# KiCad board pocket-reform-keyboard-kailh-ortho.kicad_pcb (continued)
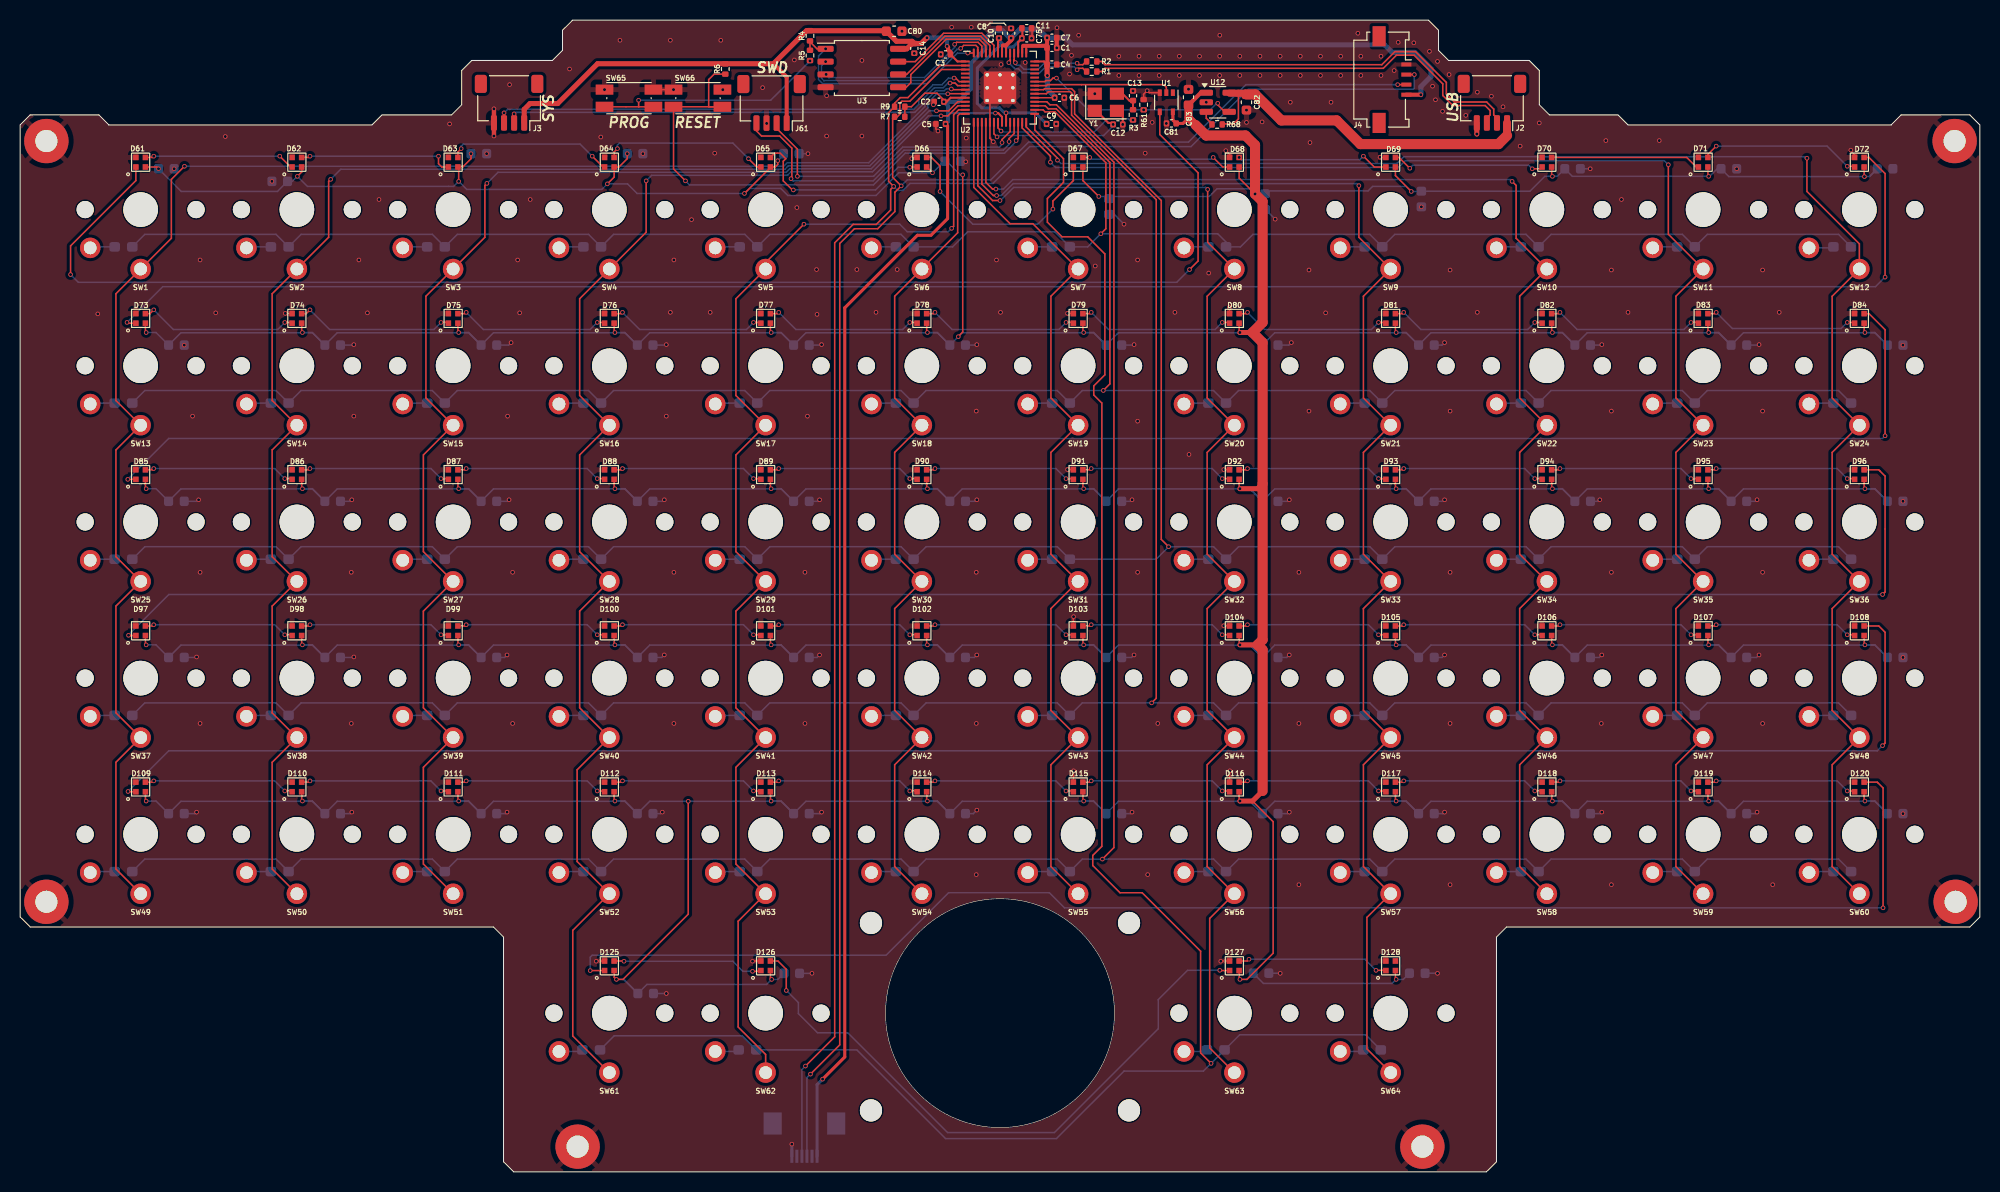
[diagram p0: board, top side]
## Footprints (pads in the part's own frame, mm; a bottom-side part is the same pattern mirrored in y, then rotated)
C_0402_1005Metric
  rrect 0.56x0.62 smd: 1(-0.48,0) 2(0.48,0)
C_0603_1608Metric
  rrect 0.9x0.95 smd: 1(-0.775,0) 2(0.775,0)
Crystal_SMD_3225-4Pin_3.2x2.5mm
  rect 1.4x1.2 smd: 1(-1.1,-0.85) 2(1.1,-0.85) 3(1.1,0.85) 4(-1.1,0.85)
D_0603_1608Metric_Pad1.05x0.95mm_HandSolder
  rrect 1.05x0.95 smd: 1(-0.875,0) 2(0.875,0)
Diptronics-PTLP2
  rect 1.75x1 smd: 1(-2.425,0.85) 1(2.425,0.85) 2(-2.425,-0.85) 2(2.425,-0.85)
Hirose_FH12-6S-0.5SH_1x06-1MP_P0.50mm_Horizontal
  rect 0.3x1.3 smd: 1(-1.25,1.85) 2(-0.75,1.85) 3(-0.25,1.85) 4(0.25,1.85) 5(0.75,1.85) 6(1.25,1.85)
  rect 1.8x2.2 smd: MP(-3.15,-1.4) MP(3.15,-1.4)
JST_SH_SM04B-SRSS-TB_1x04-1MP_P1.00mm_Horizontal
  rrect 0.6x1.55 smd: 1(-1.5,2) 2(-0.5,2) 3(0.5,2) 4(1.5,2)
  rrect 1.2x1.8 smd: MP(-2.8,-1.875) MP(2.8,-1.875)
Molex_200528-0040_1x04-1MP_P1.00mm_Horizontal
  rect 0.4x1 smd: 1(-1.5,0.91) 2(-0.5,0.91) 3(0.5,0.91) 4(1.5,0.91)
  rect 2x1.3 smd: MP(-4.3,-1.79) MP(4.3,-1.79)
MountingHole_2.2mm_M2
  round 2.2 hole 2.2 unplated: (0,0)
MountingHole_2.2mm_M2_Pad
  round 4.4 hole 2.2: 1(0,0)
PG1350
  round 1.702 hole 1.702 unplated: (-5.5,0) (5.5,0)
  round 3.429 hole 3.429 unplated: (0,0)
  round 2.032 hole 1.27: 1(0,-5.9) 2(-5,-3.8)
R_0402_1005Metric
  rrect 0.54x0.64 smd: 1(-0.51,0) 2(0.51,0)
RP2040-QFN-56
  rrect 1.084x1.084 smd: (-0.637,0.637) (-0.637,-0.637) (0.637,0.637) (0.637,-0.637)
  rrect 0.875x0.2 smd: 1(-3.438,2.6) 2(-3.438,2.2) 3(-3.438,1.8) 4(-3.438,1.4) 5(-3.438,1) 6(-3.438,0.6) 7(-3.438,0.2) 8(-3.438,-0.2) 9(-3.438,-0.6) 10(-3.438,-1) 11(-3.438,-1.4) 12(-3.438,-1.8) 13(-3.438,-2.2) 14(-3.438,-2.6) 29(3.438,-2.6) 30(3.438,-2.2) 31(3.438,-1.8) 32(3.438,-1.4) 33(3.438,-1) 34(3.438,-0.6) 35(3.438,-0.2) 36(3.438,0.2) 37(3.438,0.6) 38(3.438,1) 39(3.438,1.4) 40(3.438,1.8) 41(3.438,2.2) 42(3.438,2.6)
  rrect 0.2x0.875 smd: 15(-2.6,-3.438) 16(-2.2,-3.438) 17(-1.8,-3.438) 18(-1.4,-3.438) 19(-1,-3.438) 20(-0.6,-3.438) 21(-0.2,-3.438) 22(0.2,-3.438) 23(0.6,-3.438) 24(1,-3.438) 25(1.4,-3.438) 26(1.8,-3.438) 27(2.2,-3.438) 28(2.6,-3.438) 43(2.6,3.438) 44(2.2,3.438) 45(1.8,3.438) 46(1.4,3.438) 47(1,3.438) 48(0.6,3.438) 49(0.2,3.438) 50(-0.2,3.438) 51(-0.6,3.438) 52(-1,3.438) 53(-1.4,3.438) 54(-1.8,3.438) 55(-2.2,3.438) 56(-2.6,3.438)
  round 0.6 hole 0.35: 57(-1.275,1.275) 57(-1.275,0) 57(-1.275,-1.275) 57(0,1.275) 57(0,0) 57(0,-1.275) 57(1.275,1.275) 57(1.275,0) 57(1.275,-1.275)
  rrect 3.2x3.2 smd: 57(0,0)
SK6805-EC15
  rect 0.55x0.55 smd: 1(-0.475,-0.475) 2(0.475,-0.475) 3(0.475,0.475) 4(-0.475,0.475)
SOIC-8_5.23x5.23mm_P1.27mm
  rrect 1.6x0.6 smd: 1(-3.6,1.905) 2(-3.6,0.635) 3(-3.6,-0.635) 4(-3.6,-1.905) 5(3.6,-1.905) 6(3.6,-0.635) 7(3.6,0.635) 8(3.6,1.905)
SOT-23-5
  rrect 1.325x0.6 smd: 1(-1.137,0.95) 2(-1.137,0) 3(-1.137,-0.95) 4(1.137,-0.95) 5(1.137,0.95)
SOT-353_SC-70-5
  rect 0.65x0.4 smd: 1(-0.95,0.65) 2(-0.95,0) 3(-0.95,-0.65) 4(0.95,-0.65) 5(0.95,0.65)

## Nets
+1V1: C9.1 C10.1 C11.1 C75.1 U2.23 U2.45 U2.50
+3V3: C1.1 C2.1 C3.1 C4.1 C5.1 C6.1 C7.1 C8.1 C14.1 C80.1 J1.6 J3.1 J4.4 J61.1 R4.1 R6.1 R7.2 R9.2 U2.1 U2.10 U2.22 U2.33 U2.42 U2.43 U2.44 U2.48 U2.49 U3.8
+5V: C82.1 J2.1 R68.2 U12.5
GND: C1.2 C2.2 C3.2 C4.2 C5.2 C6.2 C7.2 C8.2 C9.2 C10.2 C11.2 C12.2 C13.2 C14.2 C15.2 C16.2 C17.2 C18.2 C19.2 C20.2 C21.2 C22.2 C23.2 C24.2 C25.2 C26.2 C27.2 C28.2 C29.2 C30.2 C31.2 C32.2 C33.2 C34.2 C35.2 C36.2 C37.2 C38.2 C39.2 C40.2 C41.2 C42.2 C43.2 C44.2 C45.2 C46.2 C47.2 C48.2 C49.2 C50.2 C51.2 C52.2 C53.2 C54.2 C55.2 C56.2 C57.2 C58.2 C59.2 C60.2 C61.2 C62.2 C63.2 C64.2 C65.2 C66.2 C67.2 C68.2 C69.2 C70.2 C71.2 C72.2 C73.2 C74.2 C75.2 C76.2 C77.2 C78.2 C79.2 C80.2 C81.2 C82.2 C83.2 D61.4 D62.4 D63.4 D64.4 D65.4 D66.4 D67.4 D68.4 D69.4 D70.4 D71.4 D72.4 D73.4 D74.4 D75.4 D76.4 D77.4 D78.4 D79.4 D80.4 D81.4 D82.4 D83.4 D84.4 D85.4 D86.4 D87.4 D88.4 D89.4 D90.4 D91.4 D92.4 D93.4 D94.4 D95.4 D96.4 D97.4 D98.4 D99.4 D100.4 D101.4 D102.4 D103.4 D104.4 D105.4 D106.4 D107.4 D108.4 D109.4 D110.4 D111.4 D112.4 D113.4 D114.4 D115.4 D116.4 D117.4 D118.4 D119.4 D120.4 D125.4 D126.4 D127.4 D128.4 H1.1 H2.1 H3.1 H4.1 H5.1 H6.1 J1.1 J2.4 J3.4 J4.1 J61.3 R61.1 SW65.2 SW66.2 U1.3 U2.19 U2.57 U3.4 U12.2 Y1.2 Y1.4
/Pocket Reform KBD MCU/UD+: R1.2 U2.47
/Pocket Reform KBD MCU/UD-: R2.1 U2.46
COL1: SW1.1 SW13.1 SW25.1 SW37.1 SW49.1 U2.8
COL2: SW2.1 SW14.1 SW26.1 SW38.1 SW50.1 U2.9
COL3: SW3.1 SW15.1 SW27.1 SW39.1 SW51.1 U2.11
COL4: SW4.1 SW16.1 SW28.1 SW40.1 SW52.1 SW61.1 U2.12
COL5: SW5.1 SW17.1 SW29.1 SW41.1 SW53.1 SW62.1 U2.13
COL6: SW6.1 SW18.1 SW30.1 SW42.1 SW54.1 U2.14
COL7: SW7.1 SW19.1 SW31.1 SW43.1 SW55.1 U2.15
COL8: SW8.1 SW20.1 SW32.1 SW44.1 SW56.1 SW63.1 U2.16
COL9: SW9.1 SW21.1 SW33.1 SW45.1 SW57.1 SW64.1 U2.17
COL10: SW10.1 SW22.1 SW34.1 SW46.1 SW58.1 U2.18
COL11: SW11.1 SW23.1 SW35.1 SW47.1 SW59.1 U2.27
COL12: SW12.1 SW24.1 SW36.1 SW48.1 SW60.1 U2.28
D+: J2.3 R1.1
D-: J2.2 R2.2
LED_DATA: U1.2 U2.36
LED_POWER: C15.1 C16.1 C17.1 C18.1 C19.1 C20.1 C21.1 C22.1 C23.1 C24.1 C25.1 C26.1 C27.1 C28.1 C29.1 C30.1 C31.1 C32.1 C33.1 C34.1 C35.1 C36.1 C37.1 C38.1 C39.1 C40.1 C41.1 C42.1 C43.1 C44.1 C45.1 C46.1 C47.1 C48.1 C49.1 C50.1 C51.1 C52.1 C53.1 C54.1 C55.1 C56.1 C57.1 C58.1 C59.1 C60.1 C61.1 C62.1 C63.1 C64.1 C65.1 C66.1 C67.1 C68.1 C69.1 C70.1 C71.1 C72.1 C73.1 C74.1 C76.1 C77.1 C78.1 C79.1 C81.1 C83.1 D61.2 D62.2 D63.2 D64.2 D65.2 D66.2 D67.2 D68.2 D69.2 D70.2 D71.2 D72.2 D73.2 D74.2 D75.2 D76.2 D77.2 D78.2 D79.2 D80.2 D81.2 D82.2 D83.2 D84.2 D85.2 D86.2 D87.2 D88.2 D89.2 D90.2 D91.2 D92.2 D93.2 D94.2 D95.2 D96.2 D97.2 D98.2 D99.2 D100.2 D101.2 D102.2 D103.2 D104.2 D105.2 D106.2 D107.2 D108.2 D109.2 D110.2 D111.2 D112.2 D113.2 D114.2 D115.2 D116.2 D117.2 D118.2 D119.2 D120.2 D125.2 D126.2 D127.2 D128.2 U1.5 U12.1
LED_PWR_EN: R61.2 U2.37 U12.4
MT: J1.2
PROG: R5.1 SW65.1
QSPI_CS: R4.2 R5.2 U2.56 U3.1
QSPI_SCK: U2.52 U3.6
QSPI_SD0: U2.53 U3.5
QSPI_SD1: U2.55 U3.2
QSPI_SD2: U2.54 U3.3
QSPI_SD3: U2.51 U3.7
RESET: R6.2 SW66.1 U2.26
ROW1: D1.1 D2.1 D3.1 D4.1 D5.1 D6.1 D7.1 D8.1 D9.1 D10.1 D11.1 D12.1 U2.30
ROW2: D13.1 D14.1 D15.1 D16.1 D17.1 D18.1 D19.1 D20.1 D21.1 D22.1 D23.1 D24.1 U2.31
ROW3: D25.1 D26.1 D27.1 D28.1 D29.1 D30.1 D31.1 D32.1 D33.1 D34.1 D35.1 D36.1 U2.35
ROW4: D37.1 D38.1 D39.1 D40.1 D41.1 D42.1 D43.1 D44.1 D45.1 D46.1 D47.1 D48.1 U2.34
ROW5: D49.1 D50.1 D51.1 D52.1 D53.1 D54.1 D55.1 D56.1 D57.1 D58.1 D59.1 D60.1 U2.32
ROW6: D121.1 D122.1 D123.1 D124.1 U2.29
SCL: J1.4 J4.3 R7.1 U2.3
SDA: J1.3 J4.2 R9.1 U2.2
SWC: J61.2 U2.24
SWD: J61.4 U2.25
UART_RX: J3.2 U2.7
UART_TX: J3.3 U2.6
Net-(C13-Pad1): C13.1 R3.1 Y1.3
Net-(D1-A): D1.2 SW1.2
Net-(D2-A): D2.2 SW2.2
Net-(D3-A): D3.2 SW3.2
Net-(D4-A): D4.2 SW4.2
Net-(D5-A): D5.2 SW5.2
Net-(D6-A): D6.2 SW6.2
Net-(D7-A): D7.2 SW7.2
Net-(D8-A): D8.2 SW8.2
Net-(D9-A): D9.2 SW9.2
Net-(D10-A): D10.2 SW10.2
Net-(D11-A): D11.2 SW11.2
Net-(D12-A): D12.2 SW12.2
Net-(D13-A): D13.2 SW13.2
Net-(D14-A): D14.2 SW14.2
Net-(D15-A): D15.2 SW15.2
Net-(D16-A): D16.2 SW16.2
Net-(D17-A): D17.2 SW17.2
Net-(D18-A): D18.2 SW18.2
Net-(D19-A): D19.2 SW19.2
Net-(D20-A): D20.2 SW20.2
Net-(D21-A): D21.2 SW21.2
Net-(D22-A): D22.2 SW22.2
Net-(D23-A): D23.2 SW23.2
Net-(D24-A): D24.2 SW24.2
Net-(D25-A): D25.2 SW25.2
Net-(D26-A): D26.2 SW26.2
Net-(D27-A): D27.2 SW27.2
Net-(D28-A): D28.2 SW28.2
Net-(D29-A): D29.2 SW29.2
Net-(D30-A): D30.2 SW30.2
Net-(D31-A): D31.2 SW31.2
Net-(D32-A): D32.2 SW32.2
Net-(D33-A): D33.2 SW33.2
Net-(D34-A): D34.2 SW34.2
Net-(D35-A): D35.2 SW35.2
Net-(D36-A): D36.2 SW36.2
Net-(D37-A): D37.2 SW37.2
Net-(D38-A): D38.2 SW38.2
Net-(D39-A): D39.2 SW39.2
Net-(D40-A): D40.2 SW40.2
Net-(D41-A): D41.2 SW41.2
Net-(D42-A): D42.2 SW42.2
Net-(D43-A): D43.2 SW43.2
Net-(D44-A): D44.2 SW44.2
Net-(D45-A): D45.2 SW45.2
Net-(D46-A): D46.2 SW46.2
Net-(D47-A): D47.2 SW47.2
Net-(D48-A): D48.2 SW48.2
Net-(D49-A): D49.2 SW49.2
Net-(D50-A): D50.2 SW50.2
Net-(D51-A): D51.2 SW51.2
Net-(D52-A): D52.2 SW52.2
Net-(D53-A): D53.2 SW53.2
Net-(D54-A): D54.2 SW54.2
Net-(D55-A): D55.2 SW55.2
Net-(D56-A): D56.2 SW56.2
Net-(D57-A): D57.2 SW57.2
Net-(D58-A): D58.2 SW58.2
Net-(D59-A): D59.2 SW59.2
Net-(D60-A): D60.2 SW60.2
Net-(D61-DIN): D61.1 U1.4
Net-(D61-DOUT): D61.3 D62.1
Net-(D62-DOUT): D62.3 D63.1
Net-(D63-DOUT): D63.3 D64.1
Net-(D64-DOUT): D64.3 D65.1
Net-(D65-DOUT): D65.3 D66.1
Net-(D66-DOUT): D66.3 D67.1
Net-(D67-DOUT): D67.3 D68.1
Net-(D68-DOUT): D68.3 D69.1
Net-(D69-DOUT): D69.3 D70.1
Net-(D70-DOUT): D70.3 D71.1
Net-(D71-DOUT): D71.3 D72.1
Net-(D72-DOUT): D72.3 D73.1
Net-(D73-DOUT): D73.3 D74.1
Net-(D74-DOUT): D74.3 D75.1
Net-(D75-DOUT): D75.3 D76.1
Net-(D76-DOUT): D76.3 D77.1
Net-(D77-DOUT): D77.3 D78.1
Net-(D78-DOUT): D78.3 D79.1
Net-(D79-DOUT): D79.3 D80.1
Net-(D80-DOUT): D80.3 D81.1
Net-(D81-DOUT): D81.3 D82.1
Net-(D82-DOUT): D82.3 D83.1
Net-(D83-DOUT): D83.3 D84.1
Net-(D84-DOUT): D84.3 D85.1
Net-(D85-DOUT): D85.3 D86.1
Net-(D86-DOUT): D86.3 D87.1
Net-(D87-DOUT): D87.3 D88.1
Net-(D88-DOUT): D88.3 D89.1
Net-(D89-DOUT): D89.3 D90.1
Net-(D90-DOUT): D90.3 D91.1
Net-(D91-DOUT): D91.3 D92.1
Net-(D92-DOUT): D92.3 D93.1
Net-(D93-DOUT): D93.3 D94.1
Net-(D94-DOUT): D94.3 D95.1
Net-(D95-DOUT): D95.3 D96.1
Net-(D96-DOUT): D96.3 D97.1
Net-(D97-DOUT): D97.3 D98.1
Net-(D98-DOUT): D98.3 D99.1
Net-(D100-DIN): D99.3 D100.1
Net-(D100-DOUT): D100.3 D101.1
Net-(D101-DOUT): D101.3 D102.1
Net-(D102-DOUT): D102.3 D103.1
Net-(D103-DOUT): D103.3 D104.1
Net-(D104-DOUT): D104.3 D105.1
Net-(D105-DOUT): D105.3 D106.1
Net-(D106-DOUT): D106.3 D107.1
Net-(D107-DOUT): D107.3 D108.1
Net-(D108-DOUT): D108.3 D109.1
Net-(D109-DOUT): D109.3 D110.1
Net-(D110-DOUT): D110.3 D111.1
Net-(D111-DOUT): D111.3 D112.1
Net-(D112-DOUT): D112.3 D113.1
Net-(D113-DOUT): D113.3 D114.1
Net-(D114-DOUT): D114.3 D115.1
Net-(D115-DOUT): D115.3 D116.1
Net-(D116-DOUT): D116.3 D117.1
Net-(D117-DOUT): D117.3 D118.1
Net-(D118-DOUT): D118.3 D119.1
Net-(D119-DOUT): D119.3 D120.1
Net-(D120-DOUT): D120.3 D125.1
Net-(D121-A): D121.2 SW61.2
Net-(D122-A): D122.2 SW62.2
Net-(D123-A): D123.2 SW63.2
Net-(D124-A): D124.2 SW64.2
Net-(D125-DOUT): D125.3 D126.1
Net-(D126-DOUT): D126.3 D127.1
Net-(D127-DOUT): D127.3 D128.1
Net-(U2-XIN): C12.1 U2.20 Y1.1
Net-(U2-XOUT): R3.2 U2.21
Net-(U12-FLG): R68.1 U12.3

Pads without a net: D128 3; J1 5 MP; J2 MP; J3 MP; J4 MP; J61 MP; U1 1; U2 4 5 38 39 40 41

## Via types
v1: diameter 0.45, hole 0.3, Top to Bottom, 530 vias

## Routing (per net, layer and track width the routed paths; a pad name or vN(x,y) marks a point on that pad's centre or on a via; arc(x,y) is an arc through that point)
+1V1: length 22.9
  Top w0.2: 99.42,113.5 99.42,112.55 v1(99.37,112.5) 99,112.13 U2.45 ; v1(97.1,112.52) 97,112.42 U2.50 ; U2.23 v1(97.8,105.1)
  Bottom w0.3: v1(101.82,104) 100.72,105.1 v1(97.8,105.1) 97.65,105.1 97.15,105.6 95.4,105.6 94.95,106.05 94.95,109.55 97.4,112 ; 97.4,112 97.1,112.3 v1(97.1,112.52) ; 97.4,112 97.75,111.65 98.52,111.65 v1(99.37,112.5)
+3V3: length 266.1
  Top w0.15: R7.2 R9.2 88.41,105.71 89.75,107.05 90.95,107.05 91.63,106.37 v1(91.63,106.2) ; U2.33 v1(102.62,106.6)
  Top w0.2: v1(91.63,106.2) 91.91,106.2 92.31,106.6 U2.10 ; C3.1 92.98,110.2 U2.1 ; v1(96.75,105.08) 97.03,105.08 97.4,104.7 U2.22 ; U2.48 97.8,111.8 ; U2.42 101.57,110.2 C4.1 ; U2.43 99.8,111.7 99.85,111.75 99.55,111.75 99.4,111.6 U2.44 ; U2.49 97.4,111.8
  Top w0.3: v1(79.6,9.2) 81.8,11.4 81.8,85.75 89,92.95 90.35,92.95 92,94.6 92,103.8 v1(91.8,104)
  Top w0.4: v1(98.3,112.52) 98.3,112.3 97.8,111.8 97.5,111.8 ; v1(91.95,111.7) 92.05,111.6 92.05,111.35 92.28,111.12 C3.1 ; J61.1 76.04,108.66 74.72,109.98 ; 101.87,112.61 C1.1 101.67,111.75 99.5,111.75 ; 101.9,111.59 101.9,109.93 C4.1 ; J4.4 v1(138.95,106.9)
  Top w0.5: C14.1 88.48,111.98 87.96,111.46 U3.8 ; C14.1 89.38,111.98 v1(89.95,112.55) ; C14.1 88.48,112.2 86.93,112.2 C80.1 ; J3.1 50,105.45 50.58,106.03 53.33,106.03 57.28,109.98 74.72,109.98 78,113.25 85.88,113.25 ; C4.1 101.87,108.83 v1(101.9,108.8)
  Bottom w0.2: v1(96.75,105.08) 92.07,105.08 92.05,105.1 ; v1(91.8,104) 91.9,104
  Bottom w0.3: J1.6 79.05,8.65 v1(79.6,9.2)
  Bottom w0.4: v1(91.8,104) 92.05,104.25 92.05,105.78 v1(91.63,106.2) 93.05,106.2 94.3,107.45 94.3,110 95.75,111.45 95.75,112.55 94.8,112.55 ; v1(91.95,111.7) 91.95,112.55
  Bottom w0.5: v1(138.95,106.9) 138.95,107.7 139.95,108.7 139.95,109.5 138.35,111.1 136.1,111.1 135.35,111.85 104.4,111.85 103.7,112.55 v1(101.87,112.55) 101.07,113.35 99.13,113.35 v1(98.3,112.52) 98.18,112.52 97.45,113.25 96.55,113.25 95.85,112.55 v1(89.95,112.55) ; v1(102.62,106.6) 102.62,106.73 101.9,107.45 v1(101.9,108.8)
+5V: length 35.6
  Top w0.15: 120.85,107.05 120.85,104.5 120.35,104 119.3,104 R68.2
  Top w0.7: 119.99,107.05 121.53,107.05 C82.1
  Top w0.8: J2.1 147.5,102.85
  Top w1: 147.5,102.85 146.65,102 132.95,102 130.6,104.35 125.1,104.35 122.53,106.93 C82.1
GND: length 93.8
  Top w0.15: D69.4 134.93,100.68 v1(134.9,100.7) ; D91.4 104.45,69.7 v1(103.9,69.7) ; R61.1 111.45,106.95 v1(111.8,107.3) 112,107.1 U1.3 ; v1(104.5,39.8) 104.47,39.78 D115.4 ; v1(120,39.8) 119.97,39.78 D116.4 ; U2.57 96.2,106.05 U2.19 96.2,102.57 v1(96.54,102.24) ; D79.4 104.45,85.2 v1(103.9,85.2) ; D125.4 57.17,20.93 v1(57.15,20.9) ; 108.4,105.45 108.65,105.45 Y1.2 ; J61.3 74.04,104.06 v1(74.05,104.05) ; v1(106.6,107) 106.7,107.1 106.7,107.15 ; v1(72.65,20.9) 72.67,20.93 D126.4 ; D74.4 26.95,85.2 v1(26.3,85.2) ; v1(119.4,69.7) 119.95,69.7 D92.4 ; v1(104.5,55.1) 104.47,55.08 D103.4 ; D72.4 181.97,100.93 181.6,101.3 v1(181.6,101.4) ; C14.2 v1(88.7,111) ; v1(91.05,103.3) 90.84,103.51 C5.2 ; D66.4 88.47,100.68 88.45,100.65 v1(88.45,100.55) ; v1(119.97,85.8) D80.4 ; C83.2 v1(115.9,107.45) ; D127.4 119.12,20.93 v1(119.1,20.9) ; v1(119.4,54.2) 119.95,54.2 D104.4 ; v1(69.7,107.4) 69.7,107.4 SW66.2 ; v1(119.6,101.35) 119.97,100.98 D68.4 ; C2.2 90.67,105.97 v1(90.6,105.9) ; SW65.2 v1(64.81,107.4) ; 100.38,113.5 100.38,112.5
  Top w0.2: v1(109.38,103.95) 109.38,104.87 108.95,105.3 Y1.2 ; C10.2 97.1,113.5 ; C8.2 v1(98.3,113.5)
  Top w0.3: v1(100.33,112.5) 100.38,112.5
  Top w0.4: v1(47,105.5) J3.4 v1(47,102.8) ; C7.2 v1(102.83,111.55)
  Top w0.5: 57.97,107.4 v1(57.97,107.4) ; v1(106.6,107) 106.6,107.05 106.55,107.1 ; 64.82,107.4 v1(64.81,107.4) ; J2.4 v1(144.5,103)
  Bottom w0.15: C71.2 110.15,35.55 v1(110.3,35.7) ; C57.2 48.35,66.55 v1(48.5,66.7) ; C78.2 124.98,19.72 v1(125,19.7) ; C59.2 110.15,66.55 v1(110.3,66.7) ; C40.2 32.75,35.55 v1(32.9,35.7) ; C23.2 64.05,82.05 v1(64.1,82.1) ; v1(172.3,66.7) 172.15,66.55 C61.2 ; C53.2 110.45,82.05 v1(110.5,82.1) ; v1(79.5,35.7) 79.35,35.55 C70.2 ; C42.2 94.55,35.55 v1(94.9,35.9) ; C30.2 94.75,66.55 v1(94.9,66.7) ; v1(140.6,19.7) 140.59,19.71 C79.2 ; v1(48.7,82.3) 48.45,82.05 C51.2 ; C62.2 17.45,51.05 v1(17.5,51.1) ; v1(125.9,35.7) 125.75,35.55 C43.2 ; C68.2 17.35,35.55 v1(17.5,35.7) ; v1(156.9,35.7) 156.75,35.55 C44.2 ; v1(172.5,51.3) 172.25,51.05 C67.2 ; v1(172.5,82.1) 172.45,82.05 C55.2 ; v1(63.9,51.3) 63.65,51.05 C35.2 ; v1(172.3,35.7) 172.15,35.55 C73.2 ; C24.2 94.85,82.05 v1(94.9,82.1) ; C32.2 156.55,66.55 v1(156.7,66.7) ; v1(79.3,66.7) 79.15,66.55 C58.2 ; v1(125.9,51.3) 125.65,51.05 C37.2 ; C19.2 123.53,95.53 v1(124.5,94.55) ; C46.2 v1(78.15,101.05) ; C63.2 48.05,51.05 v1(48.3,51.3) ; v1(141.3,82.3) 141.05,82.05 C54.2 ; C69.2 48.15,35.55 v1(48.3,35.7) ; v1(109.5,94.05) 108.53,95.03 C47.2 ; C56.2 17.55,66.55 v1(17.7,66.7) ; v1(33.1,82.1) 33.05,82.05 C22.2 ; v1(126.1,82.3) 125.85,82.05 C25.2 ; v1(141.3,51.3) 141.05,51.05 C66.2 ; C36.2 94.65,51.05 v1(94.9,51.3) ; v1(33.1,51.1) 33.05,51.05 C34.2 ; C52.2 79.45,82.05 v1(79.5,82.1) ; v1(141.3,66.7) 141.15,66.55 C60.2 ; v1(63.9,66.7) 63.75,66.55 C29.2 ; C77.2 v1(78.55,19.7) ; C41.2 63.55,35.55 v1(63.7,35.7) ; C65.2 110.25,51.05 v1(110.5,51.3) ; v1(156.9,51.3) 156.65,51.05 C38.2 ; v1(125.9,66.7) 125.75,66.55 C31.2 ; C76.2 v1(64.1,17.7) ; C64.2 79.05,51.05 v1(79.3,51.3) ; C26.2 156.85,82.05 v1(156.9,82.1) ; C20.2 v1(155.75,99.55) ; C72.2 141.15,35.55 v1(141.3,35.7) ; v1(32.9,66.7) 32.75,66.55 C28.2
  Bottom w0.3: J1.1 v1(76.55,2.75)
  vias: v1(7.7,85.15) v1(15.28,99.55) v1(16.28,82.05) v1(17.1,75) v1(17.85,90.5) v1(17.85,59.5) v1(17.85,44.5) v1(19.4,85.25) v1(20.35,102.75) v1(24.97,98.3) v1(32.85,59.5) v1(32.85,44.5) v1(33.1,75) v1(33.6,90.5) v1(34.45,85.25) v1(35.6,96.5) v1(42.6,104) v1(46.28,101.05) v1(48.35,75) v1(48.55,107.9) v1(48.85,59.5) v1(48.85,44.5) v1(49.35,90.5) v1(49.55,85.25) v1(50.6,96.5) v1(54.5,109.45) v1(57.6,102.7) v1(59.5,112.3) v1(61.78,101.05) v1(64.1,75) v1(64.5,112.3) v1(64.5,85.3) v1(64.85,90.5) v1(64.85,59.5) v1(64.85,44.5) v1(66.6,94.5) v1(68.45,85.3) v1(68.9,101.1) v1(69.5,112.3) v1(73.65,107.6) v1(76.8,110.35) v1(77.05,95.7) v1(77.85,59.5) v1(77.85,44.5) v1(78.1,75) v1(79,89.55) v1(79.05,85.1) v1(80,106.8) v1(80,102.8) v1(83,89.55) v1(83.5,110.3) v1(83.5,102.8) v1(84.9,85.3) v1(87,89.55) v1(87.47,113.2) v1(91.32,110.9) v1(92.4,113.6) v1(93.85,102.6) v1(93.8,100.25) v1(94.35,113.6) v1(94.85,75.5) v1(94.85,59.5) v1(94.85,44.5) v1(94.85,29.5) v1(96.85,90.5) v1(97.3,109.9) v1(97.25,85.3) v1(99.7,110.1) v1(102.85,113.55) v1(102.78,104) v1(103.58,106.6) v1(104.1,108.95) v1(104.29,110.8) v1(105,112.8) v1(106.65,89.9) v1(108.99,110.72) v1(108.99,108.81) v1(110.39,107.28) v1(110.85,90.5) v1(110.85,74.5) v1(110.85,59.5) v1(110.99,110.72) v1(110.99,108.81) v1(111.6,101.1) v1(111.85,29.5) v1(112.3,104.15) v1(112.85,44.5) v1(112.99,110.72) v1(112.99,108.81) v1(113.7,104.05) v1(114.55,85.3) v1(114.99,110.72) v1(114.99,108.81) v1(115.95,71.2) v1(116.99,110.72) v1(116.99,108.81) v1(117.66,106.15) v1(117.9,89.2) v1(119,112.8) v1(118.99,110.72) v1(118.99,108.81) v1(120.99,110.72) v1(120.99,108.81) v1(121.65,105.38) v1(121.65,104.15) v1(122.99,110.72) v1(122.99,108.81) v1(123.2,104.2) v1(124.99,110.72) v1(124.99,108.81) v1(126,106.15) v1(126.85,59.5) v1(126.85,44.5) v1(126.85,28.5) v1(126.99,110.72) v1(126.99,108.81) v1(127.85,89.5) v1(127.85,75.5) v1(127.95,102.15) v1(128.99,110.72) v1(128.99,108.81) v1(129.5,85.25) v1(130.04,106.15) v1(130.99,110.72) v1(130.99,108.81) v1(132.7,113) v1(132.99,110.72) v1(132.99,108.81) v1(134.99,110.72) v1(134.99,108.81) v1(136.3,109.3) v1(136.7,112.1) v1(138.25,112.05) v1(139,95.78) v1(139.8,111.2) v1(140.11,107.74) v1(140.4,106.4) v1(140.6,110.2) v1(141.1,105.25) v1(141.75,108.9) v1(141.85,89.5) v1(141.85,75.5) v1(141.85,59.5) v1(141.85,44.5) v1(141.85,28.5) v1(143.4,104.85) v1(144.55,107.15) v1(144.55,85.3) v1(145.95,106.75) v1(147.1,105.7) v1(148.8,101.8) v1(150.7,104.1) v1(156.85,44.5) v1(157.3,102.35) v1(157.85,89.5) v1(157.85,75.5) v1(157.85,59.5) v1(157.85,28.5) v1(158.85,96.5) v1(159.5,85.3) v1(162.6,102.35) v1(170.28,99.55) v1(172.85,89.5) v1(172.85,75.5) v1(172.85,59.5) v1(172.85,44.5) v1(173.85,28.5) v1(174.5,85.3) v1(186.78,82.05) v1(186.78,66.55) v1(186.78,51.05) v1(186.78,35.55)
/Pocket Reform KBD MCU/UD+: length 9.7
  Top w0.155: v1(104.85,109.38) 105,109.52 105.42,109.52 105.74,109.2 R1.2 ; v1(98.07,110.09) 98.22,110.24 98.22,110.36 98.2,110.38 U2.47
  Bottom w0.155: v1(98.07,110.09) 98.69,109.47 99.03,109.47 99.43,109.07 101.12,109.07 101.72,109.67 104.55,109.67 v1(104.85,109.38)
/Pocket Reform KBD MCU/UD-: length 8.9
  Top w0.155: U2.46 98.6,110.38 98.58,110.36 98.58,110.24 v1(98.72,110.09) ; R2.1 105.74,110.2 105.42,109.88 105,109.88 v1(104.85,110.03)
  Bottom w0.155: v1(98.72,110.09) 98.72,109.94 98.84,109.83 99.17,109.83 99.57,109.43 100.98,109.43 101.57,110.03 v1(104.85,110.03)
COL1: length 163.1
  Top w0.15: SW49.1 9.5,30.05 9.5,40.65 SW37.1 9.5,45.55 9.5,56.15 SW25.1 9.5,61.05 9.5,71.65 SW13.1 9.5,76.55 9.5,87.15 SW1.1 15,92.65 15,98.5 v1(16.3,99.8) ; U2.8 92.45,107.4 v1(92.38,107.47)
  Bottom w0.15: v1(16.3,99.8) 75.74,99.8 76.09,100.15 84.18,100.15 89.75,105.72 89.75,106.22 90.81,107.29 91.68,107.29 91.87,107.47 v1(92.38,107.47)
COL2: length 147.2
  Top w0.15: v1(92.02,106.99) 92.03,107 U2.9 ; v1(30.8,98.5) 30.6,98.3 30.6,92.75 SW2.1 25,87.15 25,76.55 SW14.1 25,71.65 25,61.05 SW26.1 25,56.15 25,45.55 SW38.1 25,40.65 25,30.05 SW50.1
  Bottom w0.15: v1(30.8,98.5) 31.8,99.5 75.87,99.5 76.22,99.85 84.3,99.85 90.05,105.6 90.05,106.1 90.94,106.99 v1(92.02,106.99)
COL3: length 132.3
  Top w0.15: v1(90.9,105.3) 92.1,105.3 93,106.2 U2.11 ; SW51.1 40,30.55 40,40.15 SW39.1 40,46.05 40,55.65 SW27.1 40,61.55 40,71.15 SW15.1 40.25,76.8 40.25,86.9 SW3.1 46.1,92.75 46.1,97.9 v1(46.3,98.1)
  Bottom w0.15: v1(90.9,105.3) 90.18,105.3 84.43,99.55 76.34,99.55 75.99,99.2 47.4,99.2 v1(46.3,98.1)
COL4: length 137.8
  Top w0.15: v1(62.1,98.35) 62.1,93.25 SW4.1 55.5,86.65 55.5,77.05 SW16.1 55.5,71.15 55.5,61.55 SW28.1 55.5,55.65 55.5,46.05 SW40.1 55.25,39.9 55.25,30.8 SW52.1 54.82,23.97 54.82,13.48 SW61.1 ; U2.12 93.02,105.8 92.02,104.8 v1(91.35,104.8)
  Bottom w0.15: v1(91.35,104.8) 90.1,104.8 84.55,99.25 76.46,99.25 76.11,98.9 62.65,98.9 v1(62.1,98.35)
COL5: length 125.6
  Top w0.15: U2.13 93.1,105.4 92.6,104.9 92.6,93.84 v1(92.4,93.64) ; SW62.1 73.95,11.65 71.22,14.38 71.22,24.88 SW53.1 71,30.55 71,40.15 SW41.1 71,46.05 71,55.65 SW29.1 71,61.55 71,71.15 SW17.1 71,77.05 71,86.65 SW5.1 73.95,90.25 v1(77.75,94.05)
  Bottom w0.15: v1(77.75,94.05) 87.25,94.05 88,93.3 92.06,93.3 v1(92.4,93.64)
COL6: length 88.5
  Top w0.15: SW54.1 86.75,30.3 86.75,40.4 SW42.1 86.75,45.8 86.75,55.9 SW30.1 86.75,61.3 86.75,71.4 SW18.1 86.75,76.8 86.75,86.9 SW6.1 89.45,89.65 93,93.2 93,104.8 93.2,105 U2.14
COL7: length 91.1
  Top w0.15: SW55.1 102.25,30.3 102.25,40.4 SW43.1 102.25,45.8 102.25,55.9 SW31.1 102.25,61.3 102.25,71.4 SW19.1 102.25,76.8 102.25,86.9 SW7.1 100.45,94.1 98.2,94.1 94.6,97.7 U2.15
COL8: length 130
  Top w0.15: SW63.1 118,12.3 118,25.15 SW56.1 117.75,30.3 117.75,40.4 SW44.1 117.75,45.8 117.75,55.9 SW32.1 117.75,61.3 117.75,71.4 SW20.1 117.75,76.8 117.75,86.9 SW8.1 117.8,92.25 v1(117.8,97.5) ; v1(97.2,96.4) 96.47,96.4 95,97.87 U2.16
  Bottom w0.15: v1(117.8,97.5) 117.6,97.7 98.55,97.7 97.25,96.4 v1(97.2,96.4)
COL9: length 144.8
  Top w0.15: v1(132.8,97.87) 132.8,92.75 SW9.1 133.25,86.9 133.25,76.8 SW21.1 133.25,71.4 133.25,61.3 SW33.1 133.25,55.9 133.25,45.8 SW45.1 133.25,40.4 133.25,30.3 SW57.1 133.6,25.25 133.6,12.2 SW64.1 ; v1(96.86,96.9) 96.53,96.9 95.4,98.03 U2.17
  Bottom w0.15: v1(96.86,96.9) 97.32,96.9 98.5,98.07 132.6,98.07 v1(132.8,97.87)
COL10: length 140
  Top w0.15: U2.18 95.8,98.2 96.46,97.54 v1(96.79,97.54) ; v1(148,98.3) 148.4,97.9 148.4,92.65 SW10.1 148.75,86.9 148.75,76.8 SW22.1 148.75,71.4 148.75,61.3 SW34.1 148.75,55.9 148.75,45.8 SW46.1 148.75,40.4 148.75,30.3 SW58.1
  Bottom w0.15: v1(148,98.3) 147.83,98.47 98.48,98.47 97.54,97.54 v1(96.79,97.54)
COL11: length 149.8
  Top w0.15: v1(163.5,99.95) 163.5,93.05 SW11.1 164.25,86.9 164.25,76.8 SW23.1 164.25,71.4 164.25,61.3 SW35.1 164.25,55.9 164.25,45.8 SW47.1 164.25,40.4 164.25,30.3 SW59.1 ; U2.27 99.4,103.6 102.2,100.8 v1(102.2,100.2)
  Bottom w0.15: v1(102.2,100.2) 102.73,99.67 136.72,99.67 137.4,100.35 163.1,100.35 v1(163.5,99.95)
COL12: length 164
  Top w0.15: v1(177.25,100.6) 177.25,97.3 182.45,92.1 SW12.1 179.75,86.9 179.75,76.8 SW24.1 179.75,71.4 179.75,61.3 SW36.1 179.75,55.9 179.75,45.8 SW48.1 179.75,40.4 179.75,30.3 SW60.1 ; v1(102.9,100.4) 102.9,100.6 99.8,103.7 U2.28
  Bottom w0.15: v1(102.9,100.4) 103.23,100.07 136.57,100.07 137.25,100.75 176.95,100.75 177.1,100.6 v1(177.25,100.6)
D+: length 44
  Top w0.155: J2.3 145.5,104.58 145.82,104.9 145.82,105.33 145.33,105.82 142.13,105.82 141.12,106.83 141.12,107.98 138.28,110.82 136.52,110.82 135.22,109.52 107.61,109.52 107.29,109.2 R1.1
D-: length 44.6
  Top w0.155: J2.2 146.5,104.58 146.18,104.9 146.18,105.47 145.47,106.18 142.27,106.18 141.48,106.97 141.48,108.12 138.42,111.18 136.38,111.18 135.08,109.88 107.61,109.88 107.29,110.2 R2.2
LED_DATA: length 13.8
  Top w0.15: U2.36 101.8,107.8 101.9,107.9 105.3,107.9 113.45,107.9 113.7,107.65 U1.2
LED_POWER: length 1288
  Top w0.15: v1(167.5,83.3) 167.43,83.38 167.43,84.23 ; 167.43,37.73 167.43,36.88 v1(167.5,36.8) ; 89.93,84.23 89.93,83.38 v1(90,83.3) ; v1(59,67.8) 58.92,67.88 58.92,68.73 ; v1(74.5,83.3) 74.42,83.38 74.42,84.23 ; 167.43,68.73 167.43,67.88 v1(167.5,67.8) ; v1(93.5,98.95) 93.5,83.35 93.06,82.91 v1(93.06,82.89) ; v1(182.95,98.78) 182.95,98.85 182.93,98.88 D72.2 ; v1(152,83.3) 151.93,83.38 151.93,84.23 ; v1(43.5,36.8) 43.42,36.88 43.42,37.73 ; v1(152,98.8) 151.93,98.88 D70.2 ; 58.92,53.23 58.92,52.38 v1(59,52.3) ; D66.2 v1(90.5,99.15) ; 12.42,53.23 12.42,52.38 v1(12.5,52.3) ; D71.2 167.43,98.88 v1(167.5,98.8) ; 105.43,37.73 105.43,36.88 v1(105.5,36.8) ; v1(28,52.3) 27.92,52.38 27.92,53.23 ; v1(105.5,52.3) 105.43,52.38 105.43,53.23 ; 58.92,37.73 58.92,36.88 v1(59,36.8) ; 120.93,68.73 120.93,67.88 v1(121,67.8) ; v1(43.5,52.3) 43.42,52.38 43.42,53.23 ; v1(12.5,36.8) 12.42,36.88 12.42,37.73 ; 136.43,37.73 136.43,36.88 v1(136.5,36.8) ; v1(105.5,83.3) 105.43,83.38 105.43,84.23 ; 74.42,37.73 74.42,36.88 v1(74.5,36.8) ; 151.93,68.73 151.93,67.88 v1(152,67.8) ; 151.93,37.73 151.93,36.88 v1(152,36.8) ; v1(122.5,97.05) 120.93,98.63 D68.2 ; v1(28,83.3) 27.92,83.38 27.92,84.23 ; v1(105.5,67.8) 105.43,67.88 105.43,68.73 ; 12.42,84.23 12.42,83.38 v1(12.5,83.3) ; 89.93,53.23 89.93,52.38 v1(90,52.3) ; v1(138,97.3) 136.43,98.88 D69.2 ; 27.92,68.73 27.92,67.88 v1(28,67.8) ; 122.25,36.8 124.3,34.75 124.3,21.7 121.7,19.1 v1(121,19.1) 120.93,19.18 D127.2 ; 136.43,53.23 136.43,52.38 v1(136.5,52.3) ; 74.42,68.73 74.42,67.88 v1(74.5,67.8) ; v1(27.5,98.8) 27.92,99.23 D62.2 ; v1(74.55,19.1) 74.42,19.23 D126.2 ; v1(44.72,101.05) 44.72,100.55 43.9,99.73 D63.2 43.5,99.65 v1(43.5,98.3) ; 182.93,37.73 182.93,36.88 v1(183,36.8) ; v1(167.5,52.3) 167.43,52.38 167.43,53.23 ; 182.93,84.23 182.93,83.38 v1(183,83.3) ; 182.93,68.73 182.93,67.88 v1(183,67.8) ; 43.42,68.73 43.42,67.88 v1(43.5,67.8) ; 27.92,37.73 27.92,36.88 v1(28,36.8) ; v1(66.28,36.78) 66.28,25.58 59.8,19.1 v1(59.15,19.1) 58.92,19.33 D125.2 ; v1(75.15,100.35) 75.15,99.98 74.9,99.73 D65.2 74.42,99.68 v1(71.85,97.1) ; 151.93,53.23 151.93,52.38 v1(152,52.3) ; v1(121,36.8) 120.93,36.88 120.93,37.73 ; 120.93,84.23 120.93,83.38 v1(121,83.3) ; v1(183,52.3) 182.93,52.38 182.93,53.23 ; v1(136.5,19.1) 136.43,19.18 D128.2 ; 58.92,84.23 58.92,83.38 v1(59,83.3) ; 120.93,53.23 120.93,52.38 v1(121,52.3) ; 12.42,99.73 13.55,99.73 v1(13.72,99.55) ; v1(107,96.8) 105.43,98.38 D67.2 ; v1(136.5,67.8) 136.43,67.88 136.43,68.73 ; v1(136.5,83.3) 136.43,83.38 136.43,84.23 ; v1(43.5,83.3) 43.42,83.38 43.42,84.23 ; v1(12.5,67.8) 12.42,67.88 12.42,68.73 ; 89.93,68.73 89.93,67.88 v1(90,67.8) ; v1(58.25,98.05) 58.92,98.73 D64.2 59.4,99.73 60.22,100.55 v1(60.22,101.05) ; 74.42,53.23 74.42,52.38 v1(74.5,52.3) ; v1(90,36.8) 89.93,36.88 89.93,37.73
  Top w0.3: C81.1 115.35,104.05 115.9,104.6 ; C81.1 114.35,104.38 U1.5 ; C81.1 114.68,104.11
  Top w0.4: U12.1 117.65,107.11 117.14,107.11 C83.1
  Top w0.5: 123.25,68.3 122.75,67.8 v1(121,67.8) ; 123.25,37.8 122.25,36.8 v1(121,36.8) ; 122.25,83.3 v1(121,83.3) ; 122.75,52.3 v1(121,52.3)
  Top w0.8: 116.6,103.9 115.9,104.6 C83.1
  Top w1: 116.6,103.9 117.65,102.85 121.55,102.85 122.5,101.9 v1(122.5,97.05) 123.25,96.3 123.25,84.3 122.25,83.3 123.25,82.3 123.25,52.8 122.75,52.3 123.25,51.8 123.25,37.8
  Bottom w0.15: C43.1 124.45,36.78 137.5,36.78 C72.1 ; C43.1 122,36.78 108.95,36.78 C71.1 ; C43.1 121.97,36.8 v1(121,36.8) ; C30.1 90.97,67.8 v1(90,67.8) ; C30.1 93.45,67.78 106.5,67.78 C59.1 ; C30.1 91,67.78 77.95,67.78 C58.1 ; C63.1 44.47,52.3 v1(43.5,52.3) ; C63.1 44.5,52.28 31.45,52.28 C34.1 ; C63.1 46.95,52.28 60,52.28 C35.1 ; v1(107,96.8) 107.78,96.8 C47.1 108.22,96.8 117.96,96.8 118.73,97.56 121.99,97.56 v1(122.5,97.05) 123.47,97.05 C19.1 123.78,97.35 133.72,97.35 134.17,97.8 137.5,97.8 v1(138,97.3) 138.97,97.3 C48.1 149.78,97.33 151.25,98.8 v1(152,98.8) 152.47,98.8 C20.1 153.97,98.8 v1(167.5,98.8) 167.6,98.8 168.35,99.55 C49.1 169.5,98.78 183.45,98.78 C21.1 183.47,98.8 ; C54.1 137.5,83.28 124.45,83.28 C25.1 ; C54.1 137.47,83.3 v1(136.5,83.3) ; C54.1 139.95,83.28 153,83.28 C26.1 ; v1(152,52.3) 152.97,52.3 C38.1 ; v1(90,36.8) 90.97,36.8 C42.1 ; C69.1 44.5,36.78 31.45,36.78 C40.1 ; C69.1 44.47,36.8 v1(43.5,36.8) ; C69.1 46.95,36.78 60,36.78 C41.1 ; v1(74.5,36.8) 75.47,36.8 C70.1 ; C55.1 168.47,83.3 v1(167.5,83.3) ; C55.1 170.95,83.28 184,83.28 C27.1 183.97,83.3 v1(183,83.3) ; C55.1 168.5,83.28 155.45,83.28 C26.1 ; v1(152,67.8) 152.97,67.8 C32.1 ; C25.1 121.97,83.3 v1(121,83.3) ; C25.1 122,83.28 108.95,83.28 C53.1 ; C65.1 106.5,52.28 93.45,52.28 C36.1 ; C65.1 106.47,52.3 v1(105.5,52.3) ; C65.1 108.95,52.28 122,52.28 C37.1 ; C67.1 168.5,52.28 155.45,52.28 C38.1 ; C67.1 170.95,52.28 184,52.28 C39.1 183.97,52.3 v1(183,52.3) ; C67.1 168.47,52.3 v1(167.5,52.3) ; C77.1 75.17,19.1 v1(74.55,19.1) 74.05,18.6 62.17,18.6 61.28,17.7 ; v1(136.5,36.8) 137.47,36.8 C72.1 ; v1(43.5,67.8) 44.47,67.8 C57.1 ; v1(167.5,67.8) 168.47,67.8 C61.1 ; C41.1 62.45,36.78 v1(66.28,36.78) 75.5,36.78 C70.1 ; C41.1 59.97,36.8 v1(59,36.8) ; C37.1 124.45,52.28 137.5,52.28 C66.1 ; C37.1 121.97,52.3 v1(121,52.3) ; C64.1 75.47,52.3 v1(74.5,52.3) ; C64.1 75.5,52.28 62.45,52.28 C35.1 ; C64.1 77.95,52.28 91,52.28 C36.1 ; C72.1 139.95,36.78 153,36.78 C44.1 ; C24.1 90.97,83.3 v1(90,83.3) ; C24.1 91,83.28 77.95,83.28 C52.1 ; C24.1 v1(93.06,82.89) 93.45,83.28 106.5,83.28 C53.1 ; C59.1 106.47,67.8 v1(105.5,67.8) ; C59.1 108.95,67.78 122,67.78 C31.1 ; v1(59,67.8) 59.97,67.8 C29.1 ; v1(105.5,83.3) 106.47,83.3 C53.1 ; C35.1 59.97,52.3 v1(59,52.3) ; C28.1 31.45,67.78 44.5,67.78 C57.1 ; C28.1 28.97,67.8 v1(28,67.8) ; C28.1 29,67.78 15.95,67.78 C56.1 13.48,67.8 v1(12.5,67.8) ; C36.1 90.97,52.3 v1(90,52.3) ; v1(12.5,52.3) 13.48,52.3 C62.1 15.95,52.28 29,52.28 C34.1 ; C22.1 29,83.28 15.95,83.28 C50.1 13.48,83.3 v1(12.5,83.3) ; C22.1 31.45,83.28 44.5,83.28 C51.1 ; C22.1 28.97,83.3 v1(28,83.3) ; C66.1 139.95,52.28 153,52.28 C38.1 ; C66.1 137.47,52.3 v1(136.5,52.3) ; C52.1 75.47,83.3 v1(74.5,83.3) ; C52.1 75.5,83.28 62.45,83.28 C23.1 ; C26.1 152.97,83.3 v1(152,83.3) ; C42.1 91,36.78 77.95,36.78 C70.1 ; C42.1 93.45,36.78 106.5,36.78 C71.1 ; C71.1 106.47,36.8 v1(105.5,36.8) ; v1(75.15,100.35) 75.72,100.93 C46.1 ; C29.1 60,67.78 46.95,67.78 C57.1 ; C29.1 62.45,67.78 75.5,67.78 C58.1 ; C23.1 60,83.28 46.95,83.28 C51.1 ; C23.1 59.97,83.3 v1(59,83.3) ; C32.1 155.45,67.78 168.5,67.78 C61.1 ; C32.1 153,67.78 139.95,67.78 C60.1 ; C60.1 137.47,67.8 v1(136.5,67.8) ; C60.1 137.5,67.78 124.45,67.78 C31.1 ; 61.28,17.7 59.9,19.08 ; 61.28,17.7 59.88,19.1 v1(59.15,19.1) ; C73.1 168.47,36.8 v1(167.5,36.8) ; C73.1 168.5,36.78 155.45,36.78 C44.1 ; C73.1 170.95,36.78 184,36.78 C74.1 183.97,36.8 v1(183,36.8) ; C44.1 152.97,36.8 v1(152,36.8) ; v1(183,67.8) 183.97,67.8 C33.1 184,67.78 170.95,67.78 C61.1 ; C58.1 75.47,67.8 v1(74.5,67.8) ; C31.1 121.97,67.8 v1(121,67.8) ; v1(13.72,99.55) 15.97,97.3 25.53,97.3 C16.1 27,98.3 v1(27.5,98.8) 28.5,97.8 43,97.8 v1(43.5,98.3) 44.3,97.5 57.7,97.5 v1(58.25,98.05) 60.25,98.05 61.2,97.1 v1(71.85,97.1) 72.35,97.6 75.45,97.6 76.15,96.9 84.9,96.9 87.15,99.15 v1(90.5,99.15) 91.65,100.3 C18.1 91.9,100.3 93.25,98.95 v1(93.5,98.95) ; C40.1 29,36.78 15.95,36.78 C68.1 13.48,36.8 v1(12.5,36.8) ; C40.1 28.97,36.8 v1(28,36.8) ; v1(43.5,83.3) 44.47,83.3 C51.1 ; v1(28,52.3) 28.97,52.3 C34.1 ; v1(121,19.1) 121.69,19.1 C78.1 123.34,18.7 136.1,18.7 v1(136.5,19.1) 137.21,19.1 C79.1
